# Altium PCB 模型主控V1.PcbDoc (part 1 of 2) (continued)
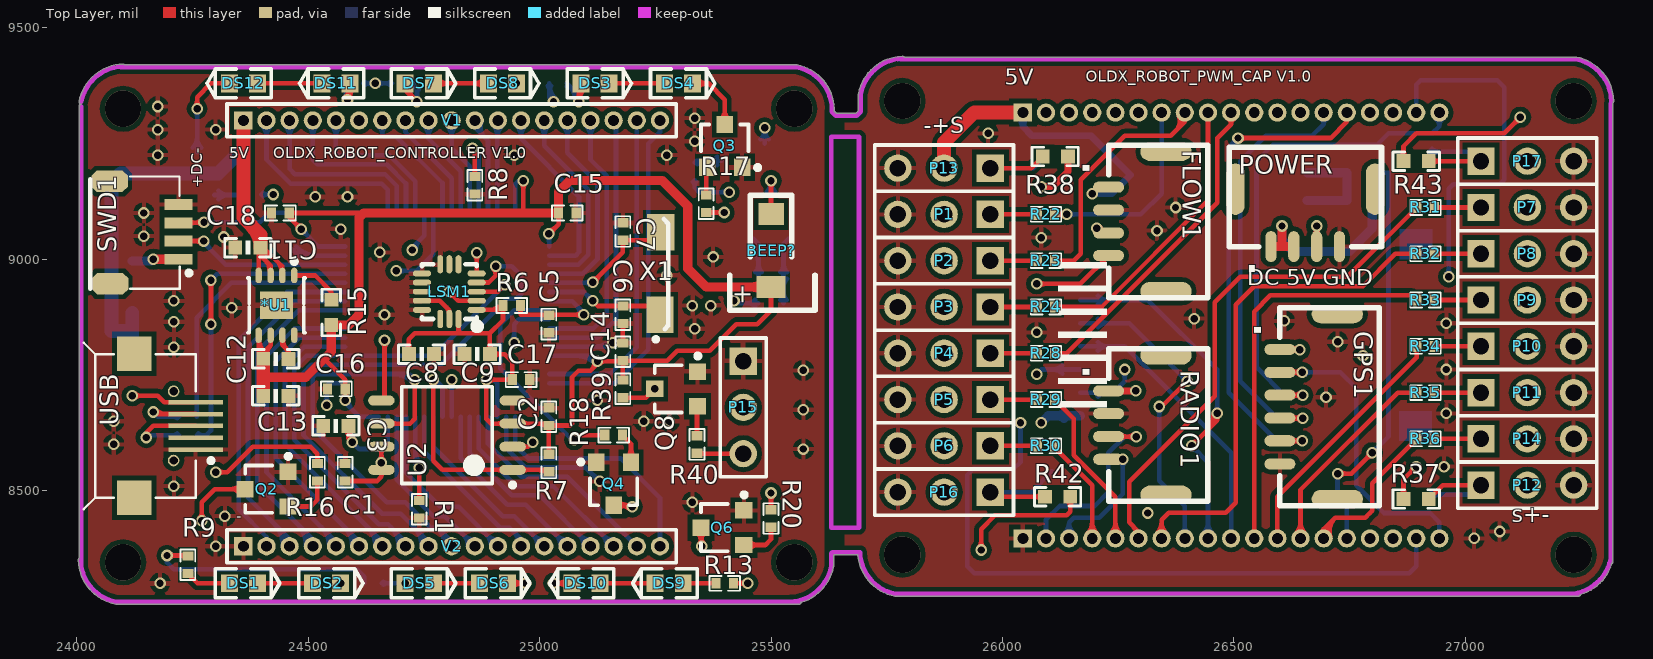
[diagram p0: Top Layer view]
## Nets (pads, with @x,y where several pads share a name; then routed paths per layer and width w, separated by ;. In a path a pad name is that pad's centre, name@x,y a point inside that pad or via, vN(x,y) a via of type N, cw(c..) or ccw(c..) an arc to the next point about the centre after c; other vN are vias at no path point) (continued)
  Top Layer w20: 24403,8745 24495,8745 24535,8785 24550,8800 R15.1@24550,8858 24588,8858 24610,8880 24610,9090 24620,9100 24965,9100 C15.1@25041,9100 25041,9146 25065,9170 25265,9170 25320,9115 25320,8980 25360,8940 BEEP?.1@25500.06,8940 ; BEEP?.1@25482.56,8930.37 ccw(c25459.3,8907.11) 25459.3,8940 ccw(c25459.3,8972.89) BEEP?.1@25482.56,8949.63
  Top Layer w30: C13.1@24403,8705 24403,8745 C12.1@24403,8785
  Mid-Layer 1 w10: V1.6@24599.62,9289.62 cw(c24574.55,9264.55) 24610,9264.55 cw(c24645.45,9264.55) V1.6@24620.38,9289.62 ; 24610,9240 V1.6@24610,9300
  Mid-Layer 1 w20: V1.6@24603.15,9293.15 cw(c24586.62,9276.62) 24610,9276.62 cw(c24633.38,9276.62) V1.6@24616.85,9293.15 ; V1.6@24610,9300 24610,9200 24635,9175 24635,9065 24580,9010 v1(24580,8695) 24630,8695 24658.27,8666.73 ; v1(24658.27,8560) 24658.27,8666.73 ; v1(24885,8740) 24885,8700 24851.73,8666.73 24658.27,8666.73
  Mid-Layer 2 w20: v1(26083.92,8646.9) 26158.92,8646.9 26173.92,8661.9 26173.92,8741.9 26293.92,8861.9 26293.92,9121.9 V11.6@26293.92,9316.9 ; V11.6@26287.07,9310.05 cw(c26270.53,9293.52) 26293.92,9293.52 cw(c26317.3,9293.52) V11.6@26300.76,9310.05
  Bottom Layer w10: v1@24485,9057.5 cw(c24485,9039.39) 24497.8,9052.2 cw(c24510.61,9065) v1@24492.5,9065 ; v1(24485,9065) 24522.36,9027.64 U1.48@24579.53,9027.64 ; v1@24580,8690 24610.47,8659.53 U1.32@24652.36,8659.53 ; v1@24587.5,8695 ccw(c24617.68,8695) 24596.34,8673.66 ; v1@24884.45,8742.44 cw(c24888.82,8722.98) 24902.92,8737.08 ; v1(24885,8740) 24900,8740 24908.27,8731.73 U1.19@24908.27,8659.53 ; U1.64@24947.64,9100.47 24947.64,9162.64 24955,9170 v1(24965,9170) ; v1@25014.7,9049.7 cw(c25000.75,9035.75) 25020.47,9035.75 ; v1(25020,9055) 25020.47,9054.53 U1.1@25020.47,9027.64 ; U1.13@25020.47,8791.42 25113.58,8791.42 v1(25125,8780) ; 25020.47,9038.03 cw(c25036.97,9038.03) v1@25025.3,9049.7 ; 25079.33,8791.42 cw(c25079.33,8734.33) v1@25119.7,8774.7 ; 25103.47,8791.42 cw(c25103.47,8758.47) v1@25126.77,8781.77
  Bottom Layer w20: v1(26083.92,8646.9) 26098.92,8661.9 NRF1.1@26167.92,8661.9 ; NRF1.1@26132.93,8656.44 ccw(c26119.76,8643.27) 26119.76,8661.9 ccw(c26119.76,8680.53) NRF1.1@26132.93,8667.36
5V: *U1.2 *U1.3 *U1.4 C11.1 D1.2 D2.2 D7.2 FLOW1.1 GPS1.1 P12.2 P13.2 P15.2 P16.2 P17.2 POWER.3 R9.1 R10.1 R11.1 R12.1 R13.1 R14.1 RADIO1.1 V1.1 V11.1 | length 10962.7
  Top Layer w10: v1(24195,8360) 24239,8360 R9.1@24240,8359 ; v1@24200.3,8354.7 cw(c24213.11,8341.89) 24213.11,8360 cw(c24213.11,8378.11) v1@24200.3,8365.3 ; 24223.7,8360 cw(c24223.7,8344.51) R9.1@24234.65,8355.46 ; C11.1@24389.93,9017.93 cw(c24382.51,9010.51) C11.1@24393,9010.51 ; *U1.4@24393,8965 24393,9015 C11.1@24403,9025 ; 24393,8991.2 cw(c24430.8,8991.2) C11.1@24404.07,9017.93 ; C11.1@24393.24,9015.74 cw(c24387.35,9001.23) 24403,9001.23 ; C11.1@24397,9015 cw(c24397,8976.37) 24424.31,9003.69 ; 24407.57,8997.43 cw(c24384.99,8974.84) *U1.3@24416.93,8974.84 ; *U1.3@24418.82,8965 24418.82,8986.18 24403,9002 C11.1@24403,9025 ; 24435,8993 cw(c24416.83,8974.84) *U1.2@24442.52,8974.84 ; 24438.03,8989.97 cw(c24426.4,8978.33) *U1.2@24442.55,8975.2 ; *U1.2@24444.41,8965 24444.41,8985.59 24442.41,8985.59 C11.1@24403,9025 ; R13.1@25419,8300 v1(25450,8300) ; R13.1@25422.54,8296.46 cw(c25431.07,8287.93) 25431.07,8300 cw(c25431.07,8312.07) R13.1@25422.54,8303.54 ; v1@25444.7,8294.7 ccw(c25431.89,8281.89) 25431.89,8300 ccw(c25431.89,8318.11) v1@25444.7,8305.3
  Top Layer w15: v1(26193.92,9141.9) 26207.74,9155.72 FLOW1.1@26229.35,9155.72 ; RADIO1.1@26229.35,8715.72 v1(26287.74,8715.72) ; GPS1.1@26599.35,8804.93 v1(26641.95,8804.93) ; POWER.3@26678.92,9027.33 v1(26678.92,9071.9)
  Top Layer w30: V1.1@24360,9300 24360,9090 24397,9053 C11.1@24397,9025 ccw(c24329.4,9025) 24377.2,9072.8 ; P13.2@25873.92,9196.9 25873.92,9251.9 25938.92,9316.9 V11.1@26043.92,9316.9
  Mid-Layer 1 w10: v1@24189.7,8365.3 ccw(c24176.89,8378.11) 24195,8378.11 ccw(c24213.11,8378.11) v1@24200.3,8365.3 ; v1(24195,8360) 24195,8435 24265,8505 24360,8505 ; V1.1@24349.62,9310.38 ccw(c24324.55,9335.45) 24360,9335.45 ccw(c24395.45,9335.45) V1.1@24370.38,9310.38 ; V1.1@24360,9300 24360,9355 24385,9380 v1(24645,9380) ; v1@24639.7,9374.7 ccw(c24626.89,9361.89) 24626.89,9380 ccw(c24626.89,9398.11) v1@24639.7,9385.3 ; 25315,8555 25450,8420 v1(25450,8300) ; v1@25444.7,8305.3 ccw(c25431.89,8318.11) 25450,8318.11 ccw(c25468.11,8318.11) v1@25455.3,8305.3
  Mid-Layer 1 w15: P16.2@25873.92,8474.87 cw(c25873.92,8445.84) 25894.45,8466.37 ; P16.2@25873.92,8496.9 25873.92,8486.9 25920.82,8440 26052.02,8440 26287.74,8675.72 v1(26287.74,8715.72) 26376.95,8804.93 26498.92,8804.93 ; P16.2@25880.94,8496.61 ccw(c25917.55,8495.09) 25891.64,8469.18 ; P16.2@25895.92,8495.99 ccw(c25963.98,8493.16) 25915.81,8445 ; V11.1@26035.3,9308.28 cw(c26014.5,9287.48) 26043.92,9287.48 cw(c26073.33,9287.48) V11.1@26052.53,9308.28 ; V11.1@26043.92,9316.9 26043.92,9281.9 26103.92,9221.9 26673.92,9221.9 26718.92,9266.9 26858.92,9266.9 ; v1(26641.95,8804.93) 26498.92,8804.93 ; v1(26678.92,9071.9) 26833.92,9071.9 26858.92,9096.9 26858.92,9266.9 ; P17.2@27120.41,9229.3 ccw(c27098.97,9256.9) 27133.92,9256.9 ; P12.2@27124.39,8492.04 cw(c27117.13,8476.9) 27133.92,8476.9 ; P12.2@27133.92,8511.9 27133.92,8476.9 ; P17.2@27133.92,9211.9 27133.92,9256.9 ; P12.2@27143.44,8492.04 ccw(c27150.71,8476.9) 27133.92,8476.9 ; P17.2@27147.43,9229.3 cw(c27168.86,9256.9) 27133.92,9256.9 ; 26498.92,8804.93 26498.92,8536.9 26588.92,8446.9 27103.92,8446.9 27133.92,8476.9 ; 26858.92,9266.9 27123.92,9266.9 27133.92,9256.9
  Mid-Layer 1 w30: V1.1@24360,9300 24360,9085 24390,9055 24390,8660 24360,8630 24360,8505 24400,8465 25135,8465 25225,8555 25315,8555 P15.2@25440,8680 ; P15.2@25425.47,8680 cw(c25390.4,8680) 25415.2,8655.2 cw(c25440,8630.4) P15.2@25440,8665.47
  Mid-Layer 2 w10: v1(24645,9380) 24835,9380 24870,9345 25025,9345 v1(25030,9340) ; v1@24650.3,9374.7 cw(c24663.11,9361.89) 24663.11,9380 cw(c24663.11,9398.11) v1@24650.3,9385.3 ; 24999.82,9345 cw(c24999.82,9309.82) v1@25024.7,9334.7
  Mid-Layer 2 w15: v1(26641.95,8804.93) 26678.92,8841.9 v1(26678.92,9071.9)
  Bottom Layer w10: v1(24195,8360) 24195,8345 24210,8330 24605,8330 24621,8314 R11.1@24621,8300 ; R14.1@24619,9380 v1(24645,9380) R12.1@24681,9380 ; R14.1@24622.54,9376.46 cw(c24631.07,9367.93) 24631.07,9380 cw(c24631.07,9392.07) R14.1@24622.54,9383.54 ; v1@24639.7,9374.7 ccw(c24626.89,9361.89) 24626.89,9380 ccw(c24626.89,9398.11) v1@24639.7,9385.3 ; v1@24650.3,9374.7 cw(c24663.11,9361.89) 24663.11,9380 cw(c24663.11,9398.11) v1@24650.3,9385.3 ; R12.1@24677.46,9376.46 ccw(c24668.93,9367.93) 24668.93,9380 ccw(c24668.93,9392.07) R12.1@24677.46,9383.54 ; R10.1@25017.46,9374.65 cw(c25008.93,9366.12) 25021,9366.12 cw(c25033.07,9366.12) R10.1@25024.54,9374.65 ; 25021,9349 R10.1@25021,9380 ; 25021,9355.69 ccw(c25045.69,9355.69) v1@25028.23,9338.23 ; R10.1@25021,9379.83 ccw(c25069.83,9379.83) v1@25035.3,9345.3
  Bottom Layer w15: V11.1@26035.3,9308.28 cw(c26014.5,9287.48) 26043.92,9287.48 cw(c26073.33,9287.48) V11.1@26052.53,9308.28 ; V11.1@26043.92,9316.9 26043.92,9286.9 26063.92,9266.9 26191.36,9266.9 D7.2@26276.36,9181.9 26236.36,9141.9 v1(26193.92,9141.9)
  Bottom Layer w30: D1.2@24120,8816 24120,8845 ; D2.2@24120,8884 24120,8845 ; V1.1@24360,9300 24360,9240 24305,9185 24095,9185 24075,9165 24075,8845 24120,8845
BAT: R26.1 U1.23 V2.15 V22.15 | length 1502.8
  Top Layer w10: v1(26723.92,8536.9) 26753.92,8536.9 v1(26798.92,8581.9) ; v1@26729.22,8531.6 cw(c26742.02,8518.79) 26742.02,8536.9 cw(c26742.02,8555.01) v1@26729.22,8542.2 ; v1@26791.42,8581.9 cw(c26773.31,8581.9) 26786.11,8569.1 cw(c26798.92,8556.29) v1@26798.92,8574.4
  Bottom Layer w10: U1.23@24829.53,8659.53 24829.53,8570.47 24930,8470 24970,8470 V2.15@25060,8380 ; V2.15@25045.32,8380 ccw(c25009.86,8380) 25034.93,8405.07 ccw(c25060,8430.14) V2.15@25060,8394.68 ; v1@26718.61,8531.6 cw(c26705.81,8518.79) 26723.92,8518.79 cw(c26742.02,8518.79) v1@26729.22,8531.6 ; v1(26723.92,8536.9) 26723.92,8491.9 26743.92,8471.9 V22.15@26743.92,8396.9 ; R26.1@26798.42,9186.84 26833.98,9186.84 26833.92,9186.77 26833.92,8616.9 v1(26798.92,8581.9) ; v1@26798.92,8589.4 ccw(c26798.92,8607.51) 26811.72,8594.7 ccw(c26824.52,8581.9) v1@26806.42,8581.9 ; R26.1@26805.49,9179.77 cw(c26822.56,9162.69) 26822.56,9186.84 cw(c26822.56,9210.98) R26.1@26805.49,9193.91
BEEP: R3.2 U1.55 | length 1361.9
  Mid-Layer 1 w10: v1@24684.7,8980.3 ccw(c24671.89,8993.11) 24690,8993.11 ccw(c24708.11,8993.11) v1@24695.3,8980.3 ; v1(24690,8975) 24690,9080 24725,9115 24895,9115 24985,9115 25325,9115 25420,9020 v1(25420,8910) ; v1@25414.7,8915.3 ccw(c25401.89,8928.11) 25420,8928.11 ccw(c25438.11,8928.11) v1@25425.3,8915.3
  Bottom Layer w10: v1(24690,8975) 24735,8975 24770.47,9010.47 U1.55@24770.47,9100.47 ; v1@24695.3,8969.7 cw(c24708.11,8956.89) 24708.11,8975 cw(c24708.11,8993.11) v1@24695.3,8980.3 ; v1(25420,8910) 25425.06,8904.94 R3.2@25472.5,8904.94 ; R3.2@25465.43,8897.86 ccw(c25448.36,8880.79) 25448.36,8904.94 ccw(c25448.36,8929.08) R3.2@25465.43,8912.01
CAN_RX: U1.61 V1.11 V11.11 | length 270.4
  Bottom Layer w10: V1.11@24860,9300 24860,9285 24888.58,9256.42 U1.61@24888.58,9100.47 ; V1.11@24864.43,9298.47 ccw(c24885.68,9291.12) 24869.78,9275.22 ; V1.11@24873.88,9295.2 ccw(c24902.48,9285.32) 24881.08,9263.92
CAN_TX: U1.62 V1.12 V11.12 | length 255.9
  Bottom Layer w10: V1.12@24899.62,9289.62 cw(c24878.73,9268.73) 24908.27,9268.73 ; U1.62@24908.27,9100.47 24908.27,9298.27 V1.12@24910,9300 ; 24908.27,9260.37 cw(c24949.63,9260.37) V1.12@24920.38,9289.62
CS1: LSM1.5 U1.24 | length 530.4
  Top Layer w10: v1@24858.75,9008.75 cw(c24845.95,8995.95) 24864.06,8995.95 cw(c24882.16,8995.95) v1@24869.36,9008.75 ; LSM1.5@24864.06,8974.37 v1(24864.06,9014.06)
  Mid-Layer 1 w10: v1@24804.7,8745.3 ccw(c24791.89,8758.11) 24810,8758.11 ccw(c24828.11,8758.11) v1@24815.3,8745.3 ; v1(24810,8740) 24810,8865 24864.06,8919.06 v1(24864.06,9014.06) ; v1@24858.75,9008.75 cw(c24845.95,8995.95) 24864.06,8995.95 cw(c24882.16,8995.95) v1@24869.36,9008.75
  Bottom Layer w10: v1@24804.7,8734.7 cw(c24792.27,8722.27) 24809.84,8722.27 ; U1.24@24809.84,8659.53 24809.84,8739.84 v1(24810,8740) ; 24809.84,8721.51 cw(c24828.49,8721.51) v1@24815.3,8734.7
CS2: R7.2 U1.25 U2.1 | length 644.1
  Top Layer w10: v1@24764.7,8734.7 cw(c24751.89,8721.89) 24770,8721.89 cw(c24788.11,8721.89) v1@24775.3,8734.7 ; v1(24770,8740) 24770,8565 24790,8545 U2.1@24941.73,8545 25014,8545 R7.2@25020,8539 ; U2.1@24919.9,8540.88 ccw(c24909.95,8530.93) 24909.95,8545 ccw(c24909.95,8559.07) U2.1@24919.9,8549.12 ; U2.1@24963.57,8540.88 cw(c24973.52,8530.93) 24973.52,8545 cw(c24973.52,8559.07) U2.1@24963.57,8549.12 ; 24996.46,8545 cw(c24996.46,8519.27) R7.2@25014.65,8537.46
  Bottom Layer w10: v1@24770,8732.5 cw(c24770,8702.32) 24791.34,8723.66 ; v1(24770,8740) 24775,8740 24790.16,8724.84 U1.25@24790.16,8659.53
CS3: NRF1.3 U1.53 V1.5 V11.5 | length 1271.9
  Mid-Layer 2 w10: v1(26073.92,8751.9) 26263.92,8941.9 26263.92,9261.9 26243.92,9281.9 ; v1@26073.92,8759.4 ccw(c26073.92,8777.51) 26086.72,8764.7 ccw(c26099.52,8751.9) v1@26081.42,8751.9 ; V11.5@26233.63,9306.42 cw(c26209.55,9281.9) 26243.92,9281.9 ; V11.5@26243.92,9316.9 26243.92,9281.9 ; V11.5@26254.2,9306.42 ccw(c26278.28,9281.9) 26243.92,9281.9
  Bottom Layer w10: V1.5@24549.62,9289.62 cw(c24524.55,9264.55) 24560,9264.55 cw(c24595.45,9264.55) V1.5@24570.38,9289.62 ; V1.5@24560,9300 24560,9230 24565,9225 24675,9225 24731.1,9168.9 U1.53@24731.1,9100.47 ; v1(26073.92,8751.9) 26083.92,8761.9 NRF1.3@26167.92,8761.9 ; NRF1.3@26129.4,8752.91 ccw(c26107.69,8731.2) 26107.69,8761.9 ccw(c26107.69,8792.6) NRF1.3@26129.4,8770.89
CS4: U1.2 V1.13 V11.13 | length 462.8
  Bottom Layer w10: V1.13@24949.62,9289.62 cw(c24924.55,9264.55) 24960,9264.55 cw(c24995.45,9264.55) V1.13@24970.38,9289.62 ; V1.13@24960,9300 24960,9260 25085,9135 25085,9015 25077.95,9007.95 ; U1.2@25020.47,9007.95 25077.95,9007.95 ; 25080,9010 25077.95,9007.95
CS5: U1.50 V1.2 V11.2 | length 479.2
  Bottom Layer w10: V1.2@24399.62,9289.62 cw(c24374.55,9264.55) 24410,9264.55 cw(c24445.45,9264.55) V1.2@24420.38,9289.62 ; V1.2@24410,9300 24410,9215 24462.05,9162.95 24659.09,9162.95 24672.05,9150 U1.50@24672.05,9100.47
DM: R2.1 U1.44 | length 584.5
  Bottom Layer w10: R2.1@24255.46,8665.35 ccw(c24246.93,8673.88) 24259,8673.88 ccw(c24271.07,8673.88) R2.1@24262.54,8665.35 ; R2.1@24259,8660 24259,8874 24333.9,8948.9 U1.44@24579.53,8948.9
DP: R4.1 U1.45 | length 759.6
  Top Layer w10: v1@24284.7,8865.3 ccw(c24271.89,8878.11) 24290,8878.11 ccw(c24308.11,8878.11) v1@24295.3,8865.3 ; v1@24284.7,8949.7 cw(c24271.89,8936.89) 24290,8936.89 cw(c24308.11,8936.89) v1@24295.3,8949.7 ; v1(24290,8860) v1(24290,8955)
  Bottom Layer w10: R4.1@24259,8620 24280,8620 24290,8630 v1(24290,8860) ; R4.1@24262.54,8616.46 cw(c24271.07,8607.93) 24271.07,8620 cw(c24271.07,8632.07) R4.1@24262.54,8623.54 ; v1@24284.7,8854.7 cw(c24271.89,8841.89) 24290,8841.89 cw(c24308.11,8841.89) v1@24295.3,8854.7 ; v1(24290,8955) 24303.58,8968.58 U1.45@24579.53,8968.58
EN_POWER: U1.11 V1.17 V11.17 | length 592.8
  Bottom Layer w10: U1.11@25020.47,8830.79 25125.79,8830.79 25165,8870 25165,9295 V1.17@25160,9300
GND: *U1.8 *U1.9 C1.2 C2.1 C3.2 C4.2 C5.1 C6.1 C7.1 C8.1 C9.1 C11.2 C13.2 C14.2 C15.2 C16.2 C17.2 C18.2 C19.2 C20.2 C21.2 C23.2 C24.2 D7.1 FLOW1.2 GPS1.6 LSM1.8 LSM1.9 LSM1.10 LSM1.11 LSM1.12 LSM1.13 LSM1.15 NRF1.8 P1.3 P2.3 P3.3 P4.3 P5.3 P6.3 P7.3 P8.3 P9.3 P10.3 P11.3 P12.3 P13.3 P14.3 P15.1 P16.3 P17.3 POWER.4 Q1.1 Q2.1 Q3.1 Q4.1 Q5.1 Q6.1 Q7.1 Q8.1 R1.1 R5.1 R8.1 R27.1 RADIO1.2 SWD1.4 U1.12 U1.18 U1.63 U2.4 USB.5 V2.1 V22.1 | length 911.9
  Top Layer w10: LSM1.12@24745.94,8910.32 24784.69,8910.32 24805,8890 LSM1.15@24805,8870.94 ; 24798.77,8896.23 cw(c24786.88,8884.33) LSM1.15@24803.7,8884.33 ; C14.2@25176.46,8822.54 ccw(c25167.93,8831.07) 25180,8831.07 ccw(c25192.07,8831.07) C14.2@25183.54,8822.54 ; C6.1@25176.46,8857.46 cw(c25167.93,8848.93) 25180,8848.93 cw(c25192.07,8848.93) C6.1@25183.54,8857.46 ; C14.2@25180,8819 C6.1@25180,8861
  Bottom Layer w10: U1.18@24927.95,8659.53 24927.95,8592.05 24970,8550 25100,8550 v1(25130,8520) ; U1.12@25020.47,8811.1 25149.1,8811.1 v1(25158,8820) ; 25118.41,8811.1 ccw(c25118.41,8859.59) v1@25152.7,8825.3 ; v1@25122.5,8520 ccw(c25104.39,8520) 25117.2,8532.8 ccw(c25130,8545.61) v1@25130,8527.5 ; 25142.55,8811.1 ccw(c25142.55,8835.45) v1@25159.77,8818.23 ; Q1.1@25453.61,9033.76 cw(c25406.78,8986.94) 25473,8986.94 ; Q1.1@25460.68,9040.83 cw(c25430.93,9011.08) 25473,9011.08 ; Q1.1@25462.6,9043.74 25473,9033.34 R5.1@25473,8965 ; R5.1@25465.93,8972.07 ccw(c25448.86,8989.14) 25473,8989.14 ccw(c25497.14,8989.14) R5.1@25480.07,8972.07
  other v1: 24180,8300 24300,8380 27018.92,8396.9 27073.92,8411.9 24320,8445 26313.92,8451.9 25330,8475 24210,8510 26953.92,8551.9 25570,8590 24080,8600 24080,8650 25225,8650 25280,8650 26958.92,8666.9 25570,8675 25125,8695 26698.92,8701.9 25570,8760 26958.92,8761.9 26778.92,8791.9 24210,8810 26723.92,8821.9 26073.92,8841.9 25335,8850 26958.92,8861.9 24210,8865 26608.92,8866.9 26413.92,8871.9 24665,8880 24335,8895 25330,8900 25370,8900 24210,8910 25275,8965 25375,9005 24655,9015 26083.92,9046.9 24317.5,9048.15 24145,9050 26333.92,9061.9 24570,9065 24145,9100 26373.92,9111.9 24515,9135 24585,9135 24175,9225 24945,9225 25275,9225 25335,9255 25968.92,9271.9 24175,9280 24300,9280 25335,9305 24175,9330
GROUND1: R37.2 U1.15 V1.18 V11.18 | length 2154.2
  Top Layer w10: R37.2@26859.35,8489.04 ccw(c26842.27,8506.11) 26866.42,8506.11 ccw(c26890.56,8506.11) R37.2@26873.49,8489.04 ; R37.2@26866.42,8481.96 26866.42,8524.4 v1(26893.92,8551.9) ; v1@26886.42,8551.9 cw(c26868.31,8551.9) 26881.11,8539.1 cw(c26893.92,8526.29) v1@26893.92,8544.4
  Mid-Layer 1 w10: v1@26888.61,8557.2 ccw(c26875.81,8570.01) 26893.92,8570.01 ccw(c26912.02,8570.01) v1@26899.22,8557.2 ; v1(26893.92,8551.9) 26893.92,8891.9 v1(26963.92,8961.9) ; v1@26956.42,8961.9 cw(c26938.31,8961.9) 26951.11,8949.1 cw(c26963.92,8936.29) v1@26963.92,8954.4
  Bottom Layer w10: U1.15@25020.47,8752.05 25152.05,8752.05 25210,8810 V1.18@25210,9300 ; V11.18@26893.92,9316.9 26893.92,9376.9 26903.92,9386.9 27068.92,9386.9 27083.92,9371.9 27083.92,9171.9 27073.92,9161.9 26973.92,9161.9 26963.92,9151.9 v1(26963.92,8961.9) ; v1@26958.61,8967.2 ccw(c26945.81,8980.01) 26963.92,8980.01 ccw(c26982.02,8980.01) v1@26969.22,8967.2
GROUND2: R38.2 U1.20 V2.18 V22.18 | length 2668.1
  Top Layer w15: v1(26083.92,9156.9) 26108.92,9156.9 26141.42,9189.4 R38.2@26141.42,9221.84 ; R38.2@26136.11,9216.53 cw(c26123.31,9203.73) 26141.42,9203.73 cw(c26159.52,9203.73) R38.2@26146.72,9216.53
  Mid-Layer 1 w10: v1@26033.61,8652.2 ccw(c26020.81,8665.01) 26038.92,8665.01 ccw(c26057.02,8665.01) v1@26044.22,8652.2 ; v1(26038.92,8646.9) 26038.92,9111.9 v1(26083.92,9156.9) ; v1@26076.42,9156.9 cw(c26058.31,9156.9) 26071.11,9144.1 cw(c26083.92,9131.29) v1@26083.92,9149.4
  Bottom Layer w10: U1.20@24888.58,8659.53 24888.58,8601.42 24960,8530 25060,8530 V2.18@25210,8380 ; v1@26033.61,8641.6 cw(c26020.81,8628.79) 26038.92,8628.79 cw(c26057.02,8628.79) v1@26044.22,8641.6 ; v1(26038.92,8646.9) 26038.92,8561.9 26023.92,8546.9 25936.9,8546.9 25923.92,8533.92 25923.92,8336.9 25938.92,8321.9 26878.92,8321.9 26893.92,8336.9 V22.18@26893.92,8396.9
GROUND3: R42.2 U1.21 V2.17 V22.17 | length 1902.6
  Top Layer w10: v1@25948.61,8377.2 ccw(c25935.81,8390.01) 25953.92,8390.01 ccw(c25972.02,8390.01) v1@25959.22,8377.2 ; v1(25953.92,8371.9) 25953.92,8416.9 25983.92,8446.9 26138.92,8446.9 26146.42,8454.4 R42.2@26146.42,8486.84 ; R42.2@26139.35,8479.77 cw(c26122.27,8462.69) 26146.42,8462.69 cw(c26170.56,8462.69) R42.2@26153.49,8479.77
  Mid-Layer 1 w10: v1@25953.92,8364.4 cw(c25953.92,8346.29) 25966.72,8359.1 cw(c25979.52,8371.9) v1@25961.42,8371.9 ; v1(25953.92,8371.9) 25998.92,8326.9 26818.92,8326.9 26843.92,8351.9 V22.17@26843.92,8396.9 ; V22.17@26833.53,8386.52 cw(c26808.46,8361.45) 26843.92,8361.45 cw(c26879.37,8361.45) V22.17@26854.3,8386.52
  Bottom Layer w10: U1.21@24868.9,8659.53 24868.9,8591.1 24950,8510 25030,8510 V2.17@25160,8380 ; V2.17@25145.32,8380 ccw(c25109.86,8380) 25134.93,8405.07 ccw(c25160,8430.14) V2.17@25160,8394.68
GROUND4: R43.2 U1.22 V2.16 V22.16 | length 2315.1
  Top Layer w10: R43.2@26859.35,9219.04 ccw(c26842.27,9236.11) 26866.42,9236.11 ccw(c26890.56,9236.11) R43.2@26873.49,9219.04 ; R43.2@26866.42,9211.96 26866.42,9244.4 26893.92,9271.9 27083.92,9271.9 v1(27118.92,9306.9) ; v1@27111.42,9306.9 cw(c27093.31,9306.9) 27106.11,9294.1 cw(c27118.92,9281.29) v1@27118.92,9299.4
  Mid-Layer 2 w10: V22.16@26783.53,8386.52 cw(c26758.46,8361.45) 26793.92,8361.45 cw(c26829.37,8361.45) V22.16@26804.3,8386.52 ; V22.16@26793.92,8396.9 26793.92,8351.9 26803.92,8341.9 27063.92,8341.9 27183.92,8461.9 27183.92,9266.9 27143.92,9306.9 v1(27118.92,9306.9) ; v1@27124.22,9301.6 cw(c27137.02,9288.79) 27137.02,9306.9 cw(c27137.02,9325.01) v1@27124.22,9312.2
  Bottom Layer w10: U1.22@24849.21,8659.53 24849.21,8580.79 24940,8490 25000,8490 V2.16@25110,8380 ; V2.16@25095.32,8380 ccw(c25059.86,8380) 25084.93,8405.07 ccw(c25110,8430.14) V2.16@25110,8394.68
LED_B: R20.1 R21.1 U1.9 | length 1732.4
  Top Layer w10: v1@25494.7,8489.7 cw(c25481.89,8476.89) 25500,8476.89 cw(c25518.11,8476.89) v1@25505.3,8489.7 ; R20.1@25496.46,8462.54 ccw(c25487.93,8471.07) 25500,8471.07 ccw(c25512.07,8471.07) R20.1@25503.54,8462.54 ; R20.1@25500,8459 v1(25500,8495)
  Mid-Layer 2 w10: v1(24425,9140) 24455,9140 24775,8820 v1(24945,8820) 25255,8510 25485,8510 v1(25500,8495) ; v1@24430.3,9134.7 cw(c24443.11,9121.89) 24443.11,9140 cw(c24443.11,9158.11) v1@24430.3,9145.3 ; v1@24939.7,8814.7 ccw(c24926.89,8801.89) 24926.89,8820 ccw(c24926.89,8838.11) v1@24939.7,8825.3 ; v1@24945,8812.5 cw(c24945,8794.39) 24957.8,8807.2 cw(c24970.61,8820) v1@24952.5,8820
  Bottom Layer w10: R21.1@24399,9140 v1(24425,9140) ; R21.1@24402.54,9136.46 cw(c24411.07,9127.93) 24411.07,9140 cw(c24411.07,9152.07) R21.1@24402.54,9143.54 ; v1@24419.7,9134.7 ccw(c24406.89,9121.89) 24406.89,9140 ccw(c24406.89,9158.11) v1@24419.7,9145.3 ; v1@24939.7,8825.3 ccw(c24926.89,8838.11) 24945,8838.11 ccw(c24963.11,8838.11) v1@24950.3,8825.3 ; v1(24945,8820) 24945,8860 24955.16,8870.16 U1.9@25020.47,8870.16
LED_G: R18.1 R19.1 U1.8 | length 1608.9
  Top Layer w10: v1(25075,8610) 25085,8620 R18.1@25141,8620 ; R18.1@25137.46,8616.46 ccw(c25128.93,8607.93) 25128.93,8620 ccw(c25128.93,8632.07) R18.1@25137.46,8623.54
  Mid-Layer 1 w10: v1(25075,8610) 25310,8610 25345,8645 25345,8800 25400,8855 25445,8855 25465,8875 25465,9090 v1(25410,9145) ; v1@25080.3,8604.7 cw(c25093.11,8591.89) 25093.11,8610 cw(c25093.11,8628.11) v1@25080.3,8615.3 ; v1@25410,9137.5 cw(c25410,9119.39) 25422.8,9132.2 cw(c25435.61,9145) v1@25417.5,9145
  Bottom Layer w10: U1.8@25020.47,8889.84 24944.84,8889.84 24915,8860 24915,8765 25070,8610 v1(25075,8610) ; R19.1@25331.46,9167.46 cw(c25322.93,9158.93) 25335,9158.93 cw(c25347.07,9158.93) R19.1@25338.54,9167.46 ; R19.1@25335,9171 25335,9155 25345,9145 v1(25410,9145) ; v1@25404.7,9139.7 ccw(c25391.89,9126.89) 25391.89,9145 ccw(c25391.89,9163.11) v1@25404.7,9150.3
LED_R: R16.1 R17.1 U1.33 | length 2652.2
  Top Layer w10: v1(24300,8540) 24325,8540 24380,8595 24505,8595 24520,8580 R16.1@24520,8559 ; v1@24305.3,8534.7 cw(c24318.11,8521.89) 24318.11,8540 cw(c24318.11,8558.11) v1@24305.3,8545.3 ; R16.1@24516.46,8562.54 ccw(c24507.93,8571.07) 24520,8571.07 ccw(c24532.07,8571.07) R16.1@24523.54,8562.54 ; R17.1@25360,9101 v1(25399,9101) ; R17.1@25365.35,9097.46 cw(c25373.88,9088.93) 25373.88,9101 cw(c25373.88,9113.07) R17.1@25365.35,9104.54 ; v1@25393.7,9095.7 ccw(c25380.89,9082.89) 25380.89,9101 ccw(c25380.89,9119.11) v1@25393.7,9106.3
  Mid-Layer 2 w10: v1(24300,8540) 24370,8540 ; v1@24305.3,8534.7 cw(c24318.11,8521.89) 24318.11,8540 cw(c24318.11,8558.11) v1@24305.3,8545.3 ; v1@24534.7,8679.7 cw(c24521.89,8666.89) 24540,8666.89 cw(c24558.11,8666.89) v1@24545.3,8679.7 ; v1(24540,8685) 24540,8615 24465,8540 24370,8540 ; v1@25393.7,9095.7 ccw(c25380.89,9082.89) 25380.89,9101 ccw(c25380.89,9119.11) v1@25393.7,9106.3 ; v1(25399,9101) 24689,9101 24605,9185 24395,9185 24365,9155 24365,8545 24370,8540
  Bottom Layer w10: v1@24534.7,8690.3 ccw(c24521.89,8703.11) 24540,8703.11 ccw(c24558.11,8703.11) v1@24545.3,8690.3 ; v1(24540,8685) 24540,8725 24547.36,8732.36 U1.33@24579.53,8732.36 ; 24540,8720.29 cw(c24556.17,8720.29) U1.33@24544.73,8731.72
Net*U1_1: *U1.1 R15.2 | length 133.3
  Top Layer w10: *U1.1@24470,8965 24515,8965 24550.06,8929.94 ; R15.2@24545.01,8921.13 ccw(c24539.86,8929.94) 24550.06,8929.94 ; R15.2@24550.06,8912.5 24550.06,8929.94 ; R15.2@24555.11,8921.13 cw(c24560.26,8929.94) 24550.06,8929.94
Net*U1_7: *U1.7 C12.2 | length 125.9
  Top Layer w10: *U1.7@24444.41,8836 24444.41,8815.59 24457.5,8802.5 ; *U1.7@24446.28,8825.87 ccw(c24467.14,8822.7) 24452.22,8807.78 ; 24449.3,8810.7 cw(c24428.49,8789.89) C12.2@24457.5,8784.94 24457.5,8802.5 ; C12.2@24452.4,8793.54 ccw(c24447.08,8802.5) 24457.5,8802.5 ; C12.2@24462.6,8793.54 cw(c24467.92,8802.5) 24457.5,8802.5
NetBEEP?_2: BEEP?.2 Q1.3 | length 211.4
  Top Layer w10: v1@25494.7,9164.7 cw(c25481.89,9151.89) 25500,9151.89 cw(c25518.11,9151.89) v1@25505.3,9164.7 ; BEEP?.2@25500,9097.48 v1(25500,9170)
  Bottom Layer w10: Q1.3@25491.01,9146.24 ccw(c25469.3,9167.94) 25500,9167.94 ccw(c25530.7,9167.94) Q1.3@25508.99,9146.24 ; v1@25494.7,9164.7 cw(c25481.89,9151.89) 25500,9151.89 cw(c25518.11,9151.89) v1@25505.3,9164.7 ; Q1.3@25500,9136.26 v1(25500,9170)
NetC3_1: C3.1 U1.31 | length 271.2
  Top Layer w10: C3.1@24579.93,8632.93 cw(c24562.86,8615.86) 24587,8615.86 cw(c24611.14,8615.86) C3.1@24594.07,8632.93 ; 24587,8617.42 ccw(c24606.27,8617.42) v1@24593.32,8603.15 ; v1(24595,8605) 24587,8613 C3.1@24587,8640 ccw(c24626.76,8640) v1@24600.04,8610.55
  Bottom Layer w10: v1(24595,8605) 24610,8590 24660,8590 24672.05,8602.05 U1.31@24672.05,8659.53
NetC4_1: C4.1 U1.47 | length 201.1
  Bottom Layer w10: C4.1@24474.07,9027.07 ccw(c24520.23,9073.23) 24520.23,9007.95 ; 24496.08,9007.95 cw(c24496.08,9049.08) C4.1@24467,9020 24479.05,9007.95 U1.47@24579.53,9007.95
NetC5_2: C5.2 R6.1 U1.7 | length 336.1
  Top Layer w10: R6.1@24955.46,8894.65 cw(c24946.93,8886.12) 24959,8886.12 cw(c24971.07,8886.12) R6.1@24962.54,8894.65 ; R6.1@24959,8900 24959,8880 v1(25095,8880) ; 25003.7,8880 cw(c25003.7,8864.51) C5.2@25014.65,8875.46 ; C5.2@25025.35,8875.46 cw(c25036.3,8864.51) 25036.3,8880 ; v1@25089.7,8874.7 ccw(c25076.89,8861.89) 25076.89,8880 ccw(c25076.89,8898.11) v1@25089.7,8885.3
  Bottom Layer w10: U1.7@25020.47,8909.53 25070.47,8909.53 v1@25095,8885 ; 25078.66,8901.34 cw(c25057.32,8880) v1@25087.5,8880
NetC6_2: C6.2 U1.6 X1.1 | length 326.3
  Top Layer w10: v1(25115,8910) 25126,8899 C6.2@25180,8899 25241,8899 X1.1@25260,8880 ; C6.2@25174.65,8895.46 ccw(c25166.12,8886.93) 25166.12,8899 ccw(c25166.12,8911.07) C6.2@25174.65,8902.54 ; C6.2@25185.35,8895.46 cw(c25193.88,8886.93) 25193.88,8899 cw(c25193.88,8911.07) C6.2@25185.35,8902.54
  Bottom Layer w10: U1.6@25020.47,8929.21 25095.79,8929.21 v1(25115,8910) ; v1@25107.5,8910 ccw(c25089.39,8910) 25102.2,8922.8 ccw(c25115,8935.61) v1@25115,8917.5
NetC7_2: C7.2 U1.5 X1.2 | length 426.5
  Top Layer w10: v1(25115,8950) 25180,9015 C7.2@25180,9041 25245,9041 X1.2@25262,9058 X1.2@25241,9079 ; v1@25115,8957.5 ccw(c25115,8975.61) 25127.8,8962.8 ccw(c25140.61,8950) v1@25122.5,8950 ; C7.2@25176.46,9037.46 cw(c25167.93,9028.93) 25180,9028.93 cw(c25192.07,9028.93) C7.2@25183.54,9037.46 ; C7.2@25185.35,9037.46 cw(c25193.88,9028.93) 25193.88,9041 cw(c25193.88,9053.07) C7.2@25185.35,9044.54
  Bottom Layer w10: U1.5@25020.47,8948.9 25113.9,8948.9 v1(25115,8950) ; 25094.23,8948.9 ccw(c25094.23,8970.77) v1@25109.7,8955.3 ; 25099.55,8948.9 cw(c25099.55,8934.55) v1@25109.7,8944.7
NetC19_1: C19.1 R25.1 R26.2 R27.2 | length 230.3
  Bottom Layer w20: C19.1@26658.42,9126.84 R25.1@26744.42,9126.84 R26.2@26744.42,9186.27 ; R27.2@26658.92,9186.9 R26.2@26743.79,9186.9
NetC20_1: C20.1 P12.1 R37.1 | length 284.6
  Top Layer w10: R37.1@26920.92,8481.9 26950.92,8511.9 P12.1@27033.92,8511.9
  Bottom Layer w10: C20.1@26920.92,8491.9 27013.92,8491.9 P12.1@27033.92,8511.9 ; C20.1@26927.99,8484.83 cw(c26945.06,8467.76) 26945.06,8491.9 cw(c26945.06,8516.04) C20.1@26927.99,8498.97
NetC21_1: C21.1 P13.1 R38.1 | length 244.6
  Top Layer w10: P13.1@25973.92,9196.9 26061.92,9196.9 R38.1@26086.92,9221.9
  Bottom Layer w10: P13.1@25973.92,9196.9 26066.92,9196.9 C21.1@26086.92,9216.9
NetC23_1: C23.1 P16.1 R42.1 | length 311.7
  Top Layer w10: P16.1@25973.92,8496.9 25983.92,8486.9 R42.1@26091.92,8486.9 ; R42.1@26084.85,8479.83 ccw(c26067.77,8462.76) 26067.77,8486.9 ccw(c26067.77,8511.04) R42.1@26084.85,8493.97
  Bottom Layer w10: P16.1@25973.92,8496.9 26061.92,8496.9 C23.1@26106.92,8541.9